# Altium PCB carrier.PcbDoc (part 1 of 5)
Units mil, origin at the board's own origin, x right, y up, seen from the top; angles counter-clockwise.
Board outline 5511.81 x 3425.2 mil, 4 copper layers (Component Side, Power_layer1, Power_layer2, Solder Side), stack 65.912 mil thick; 384 components, 416 nets, 1916 pads, 853 vias.
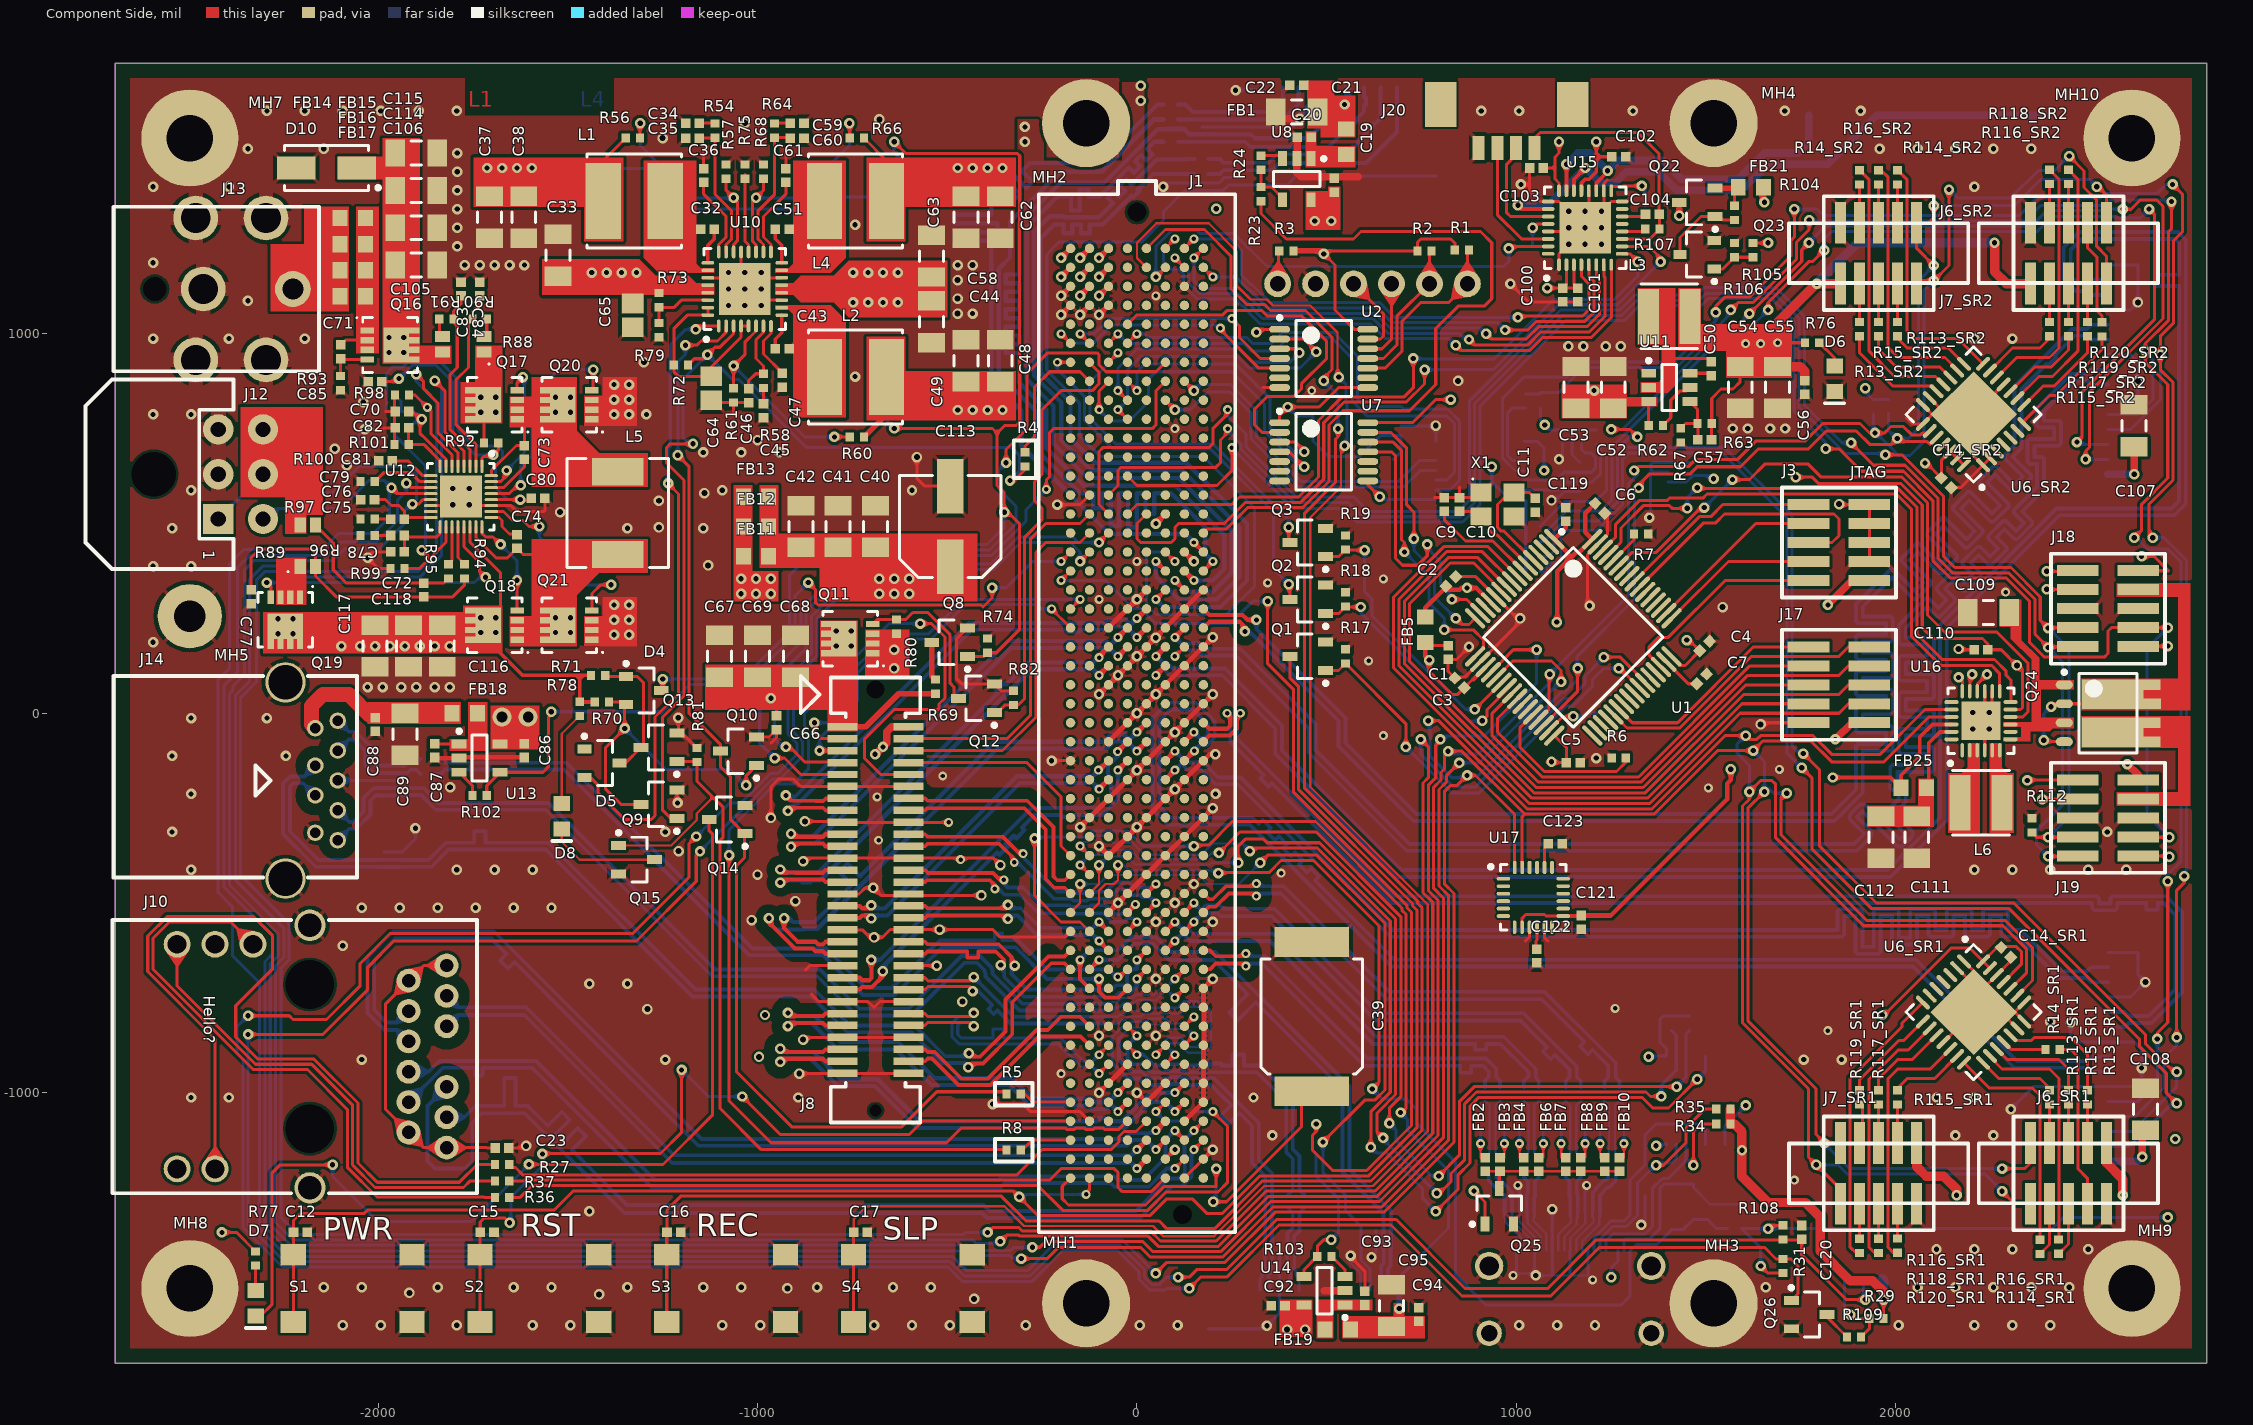
[diagram p0: Component Side view]
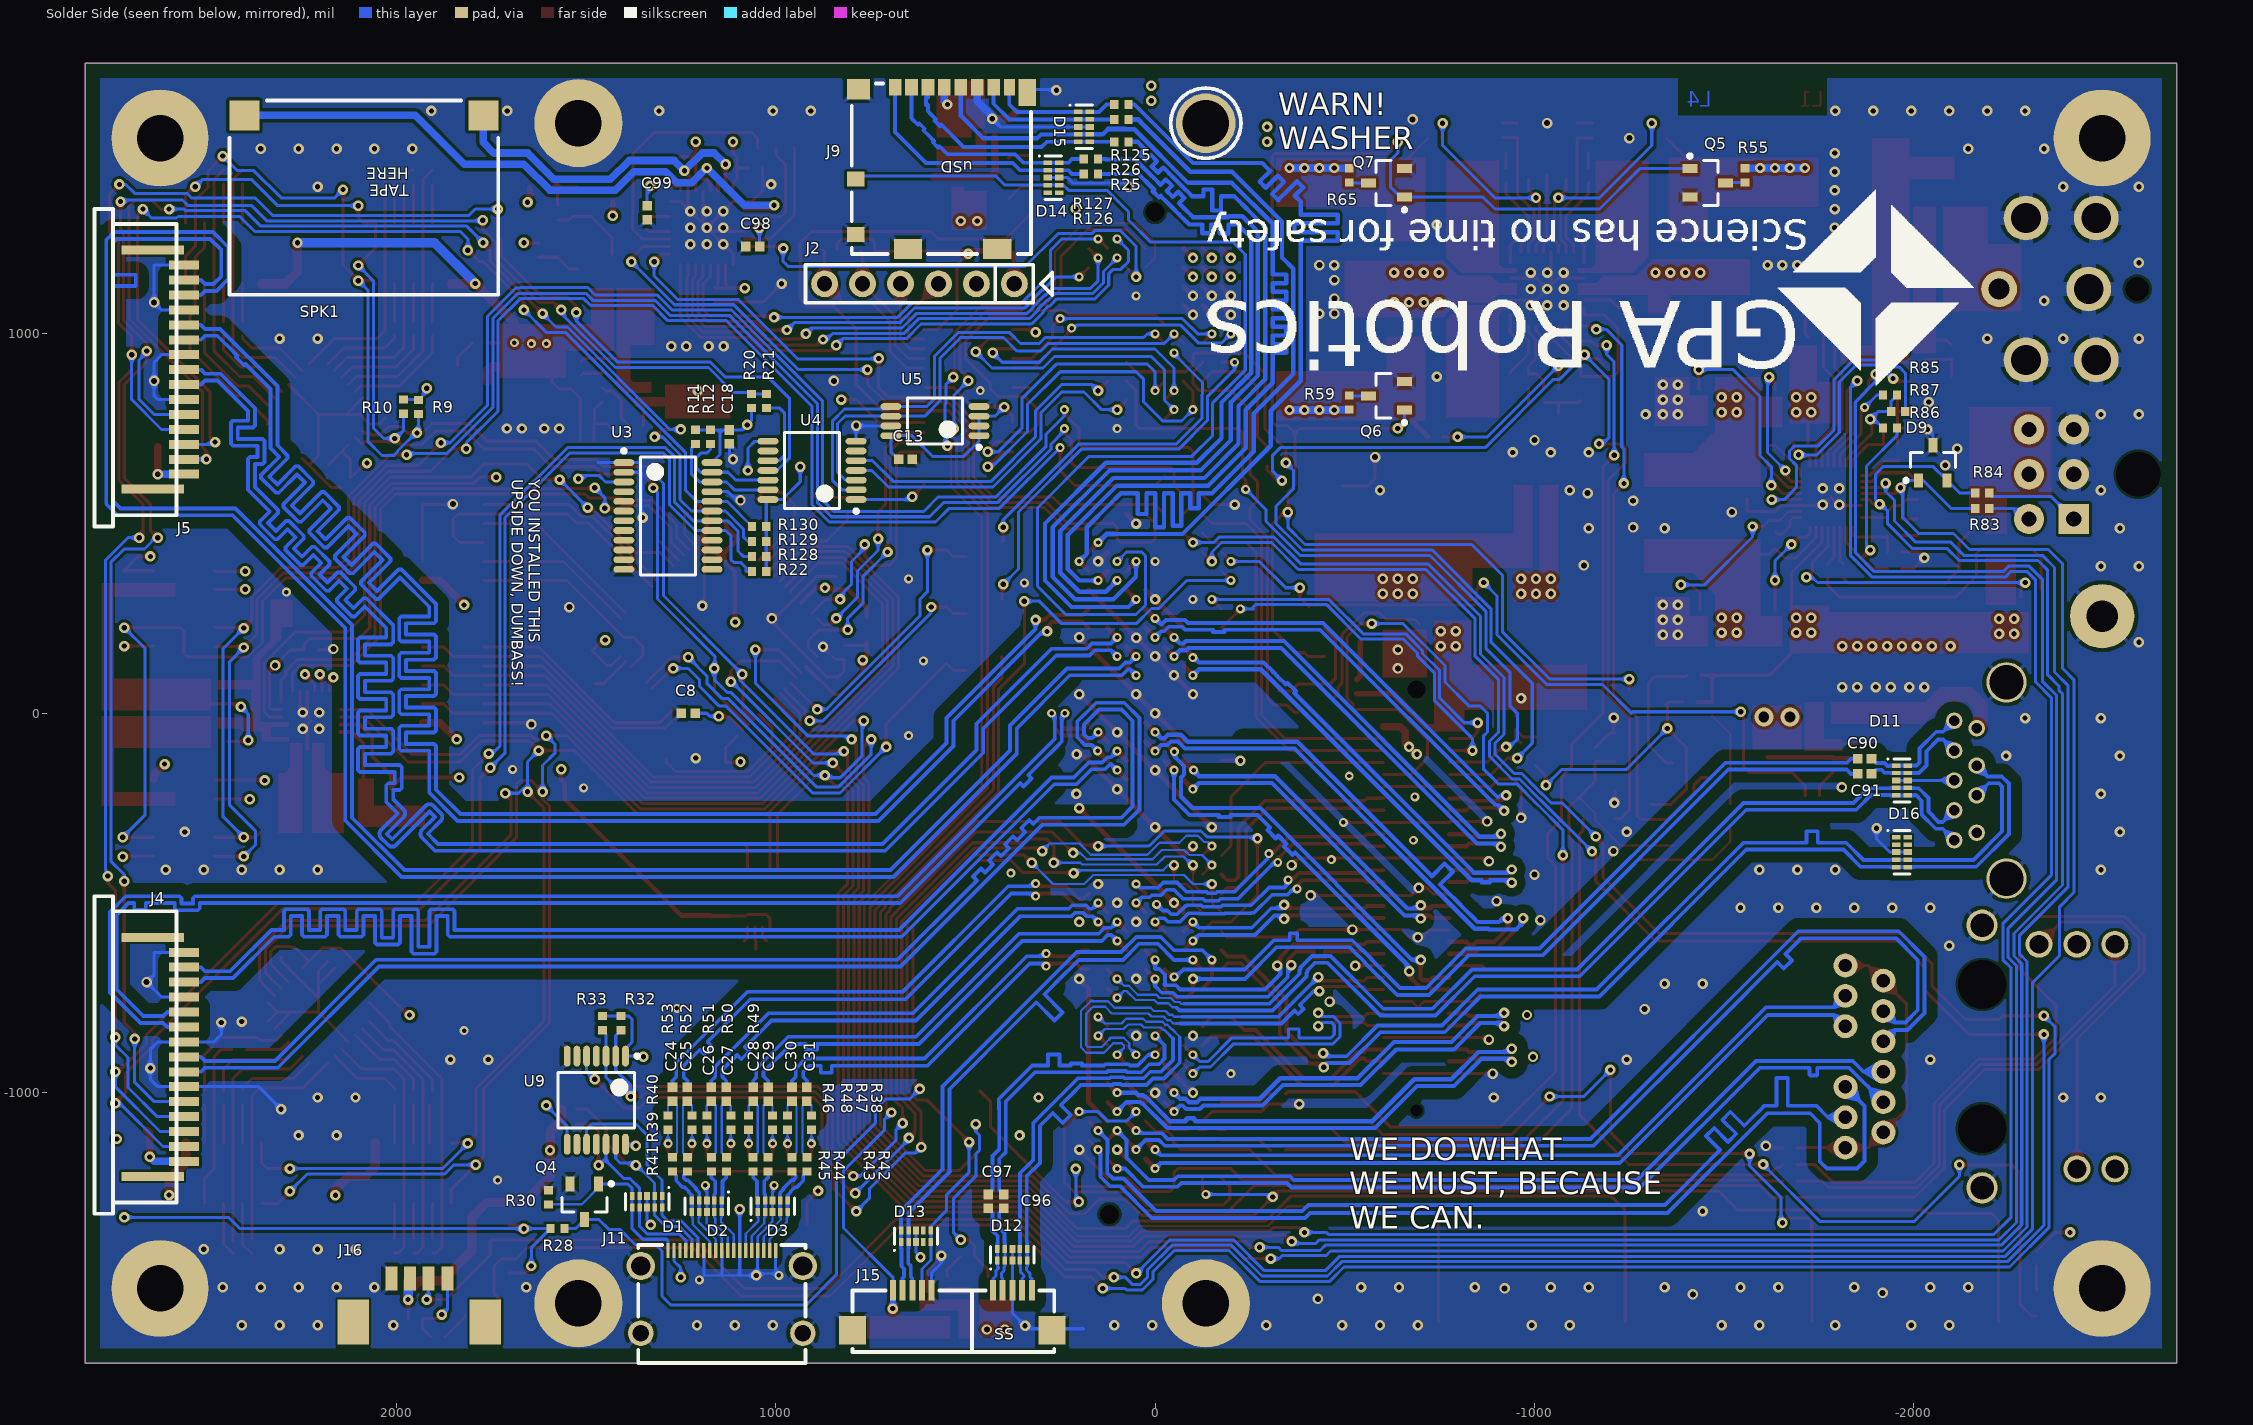
[diagram p1: Solder Side view, seen from below]
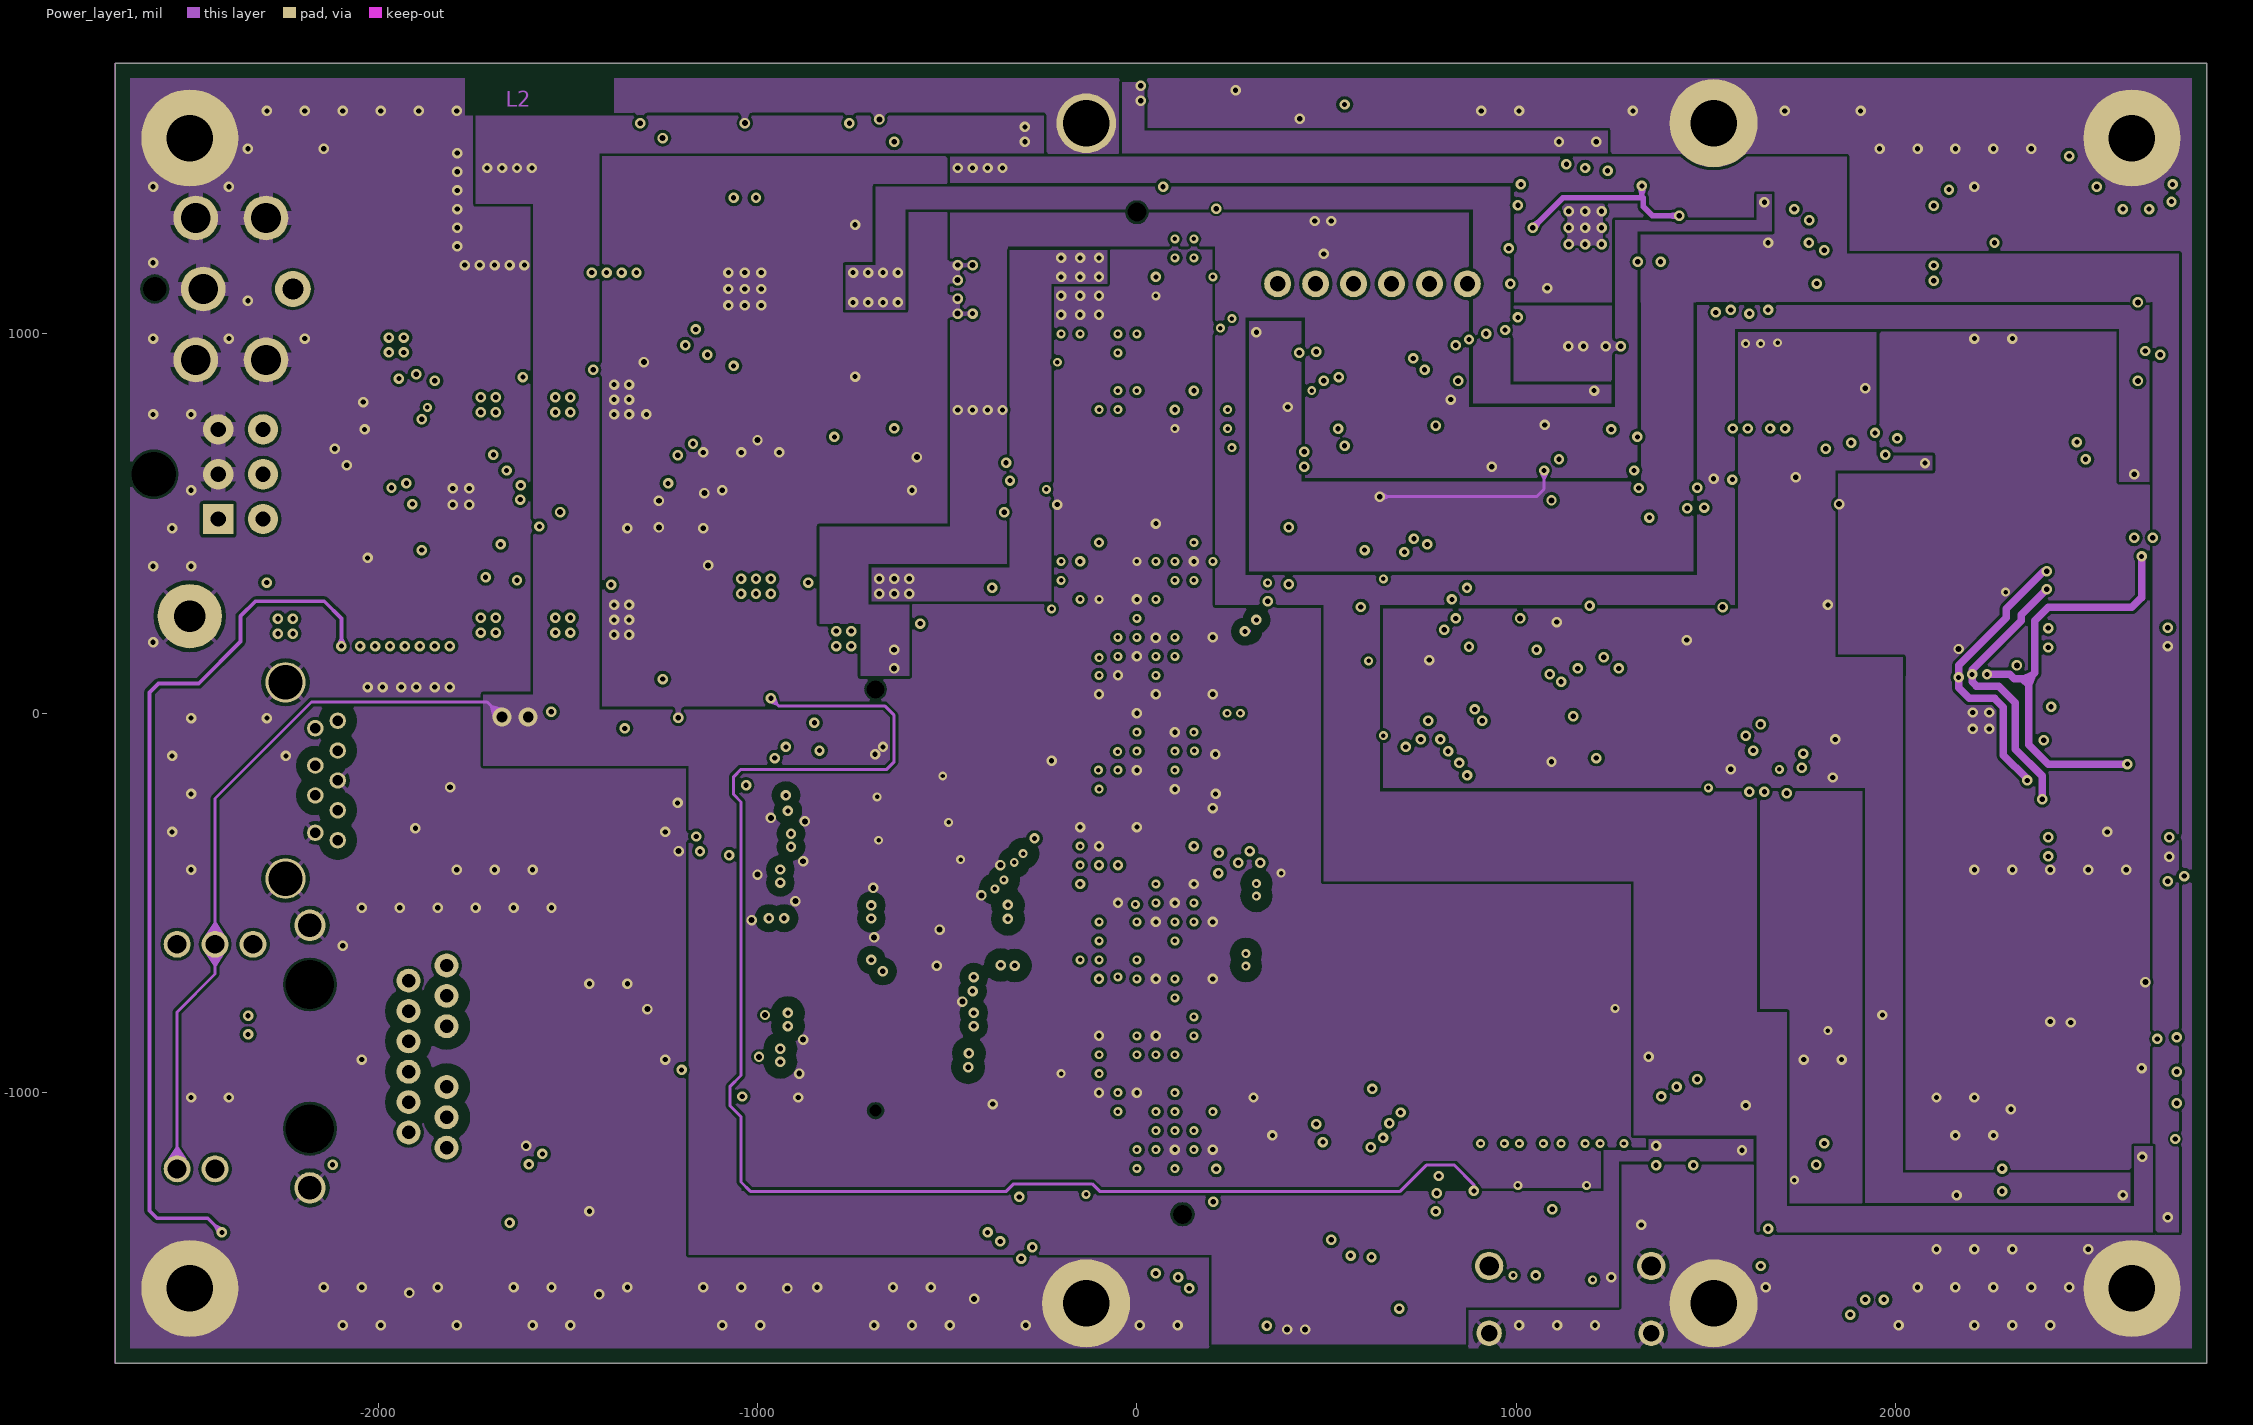
[diagram p2: Power_layer1]
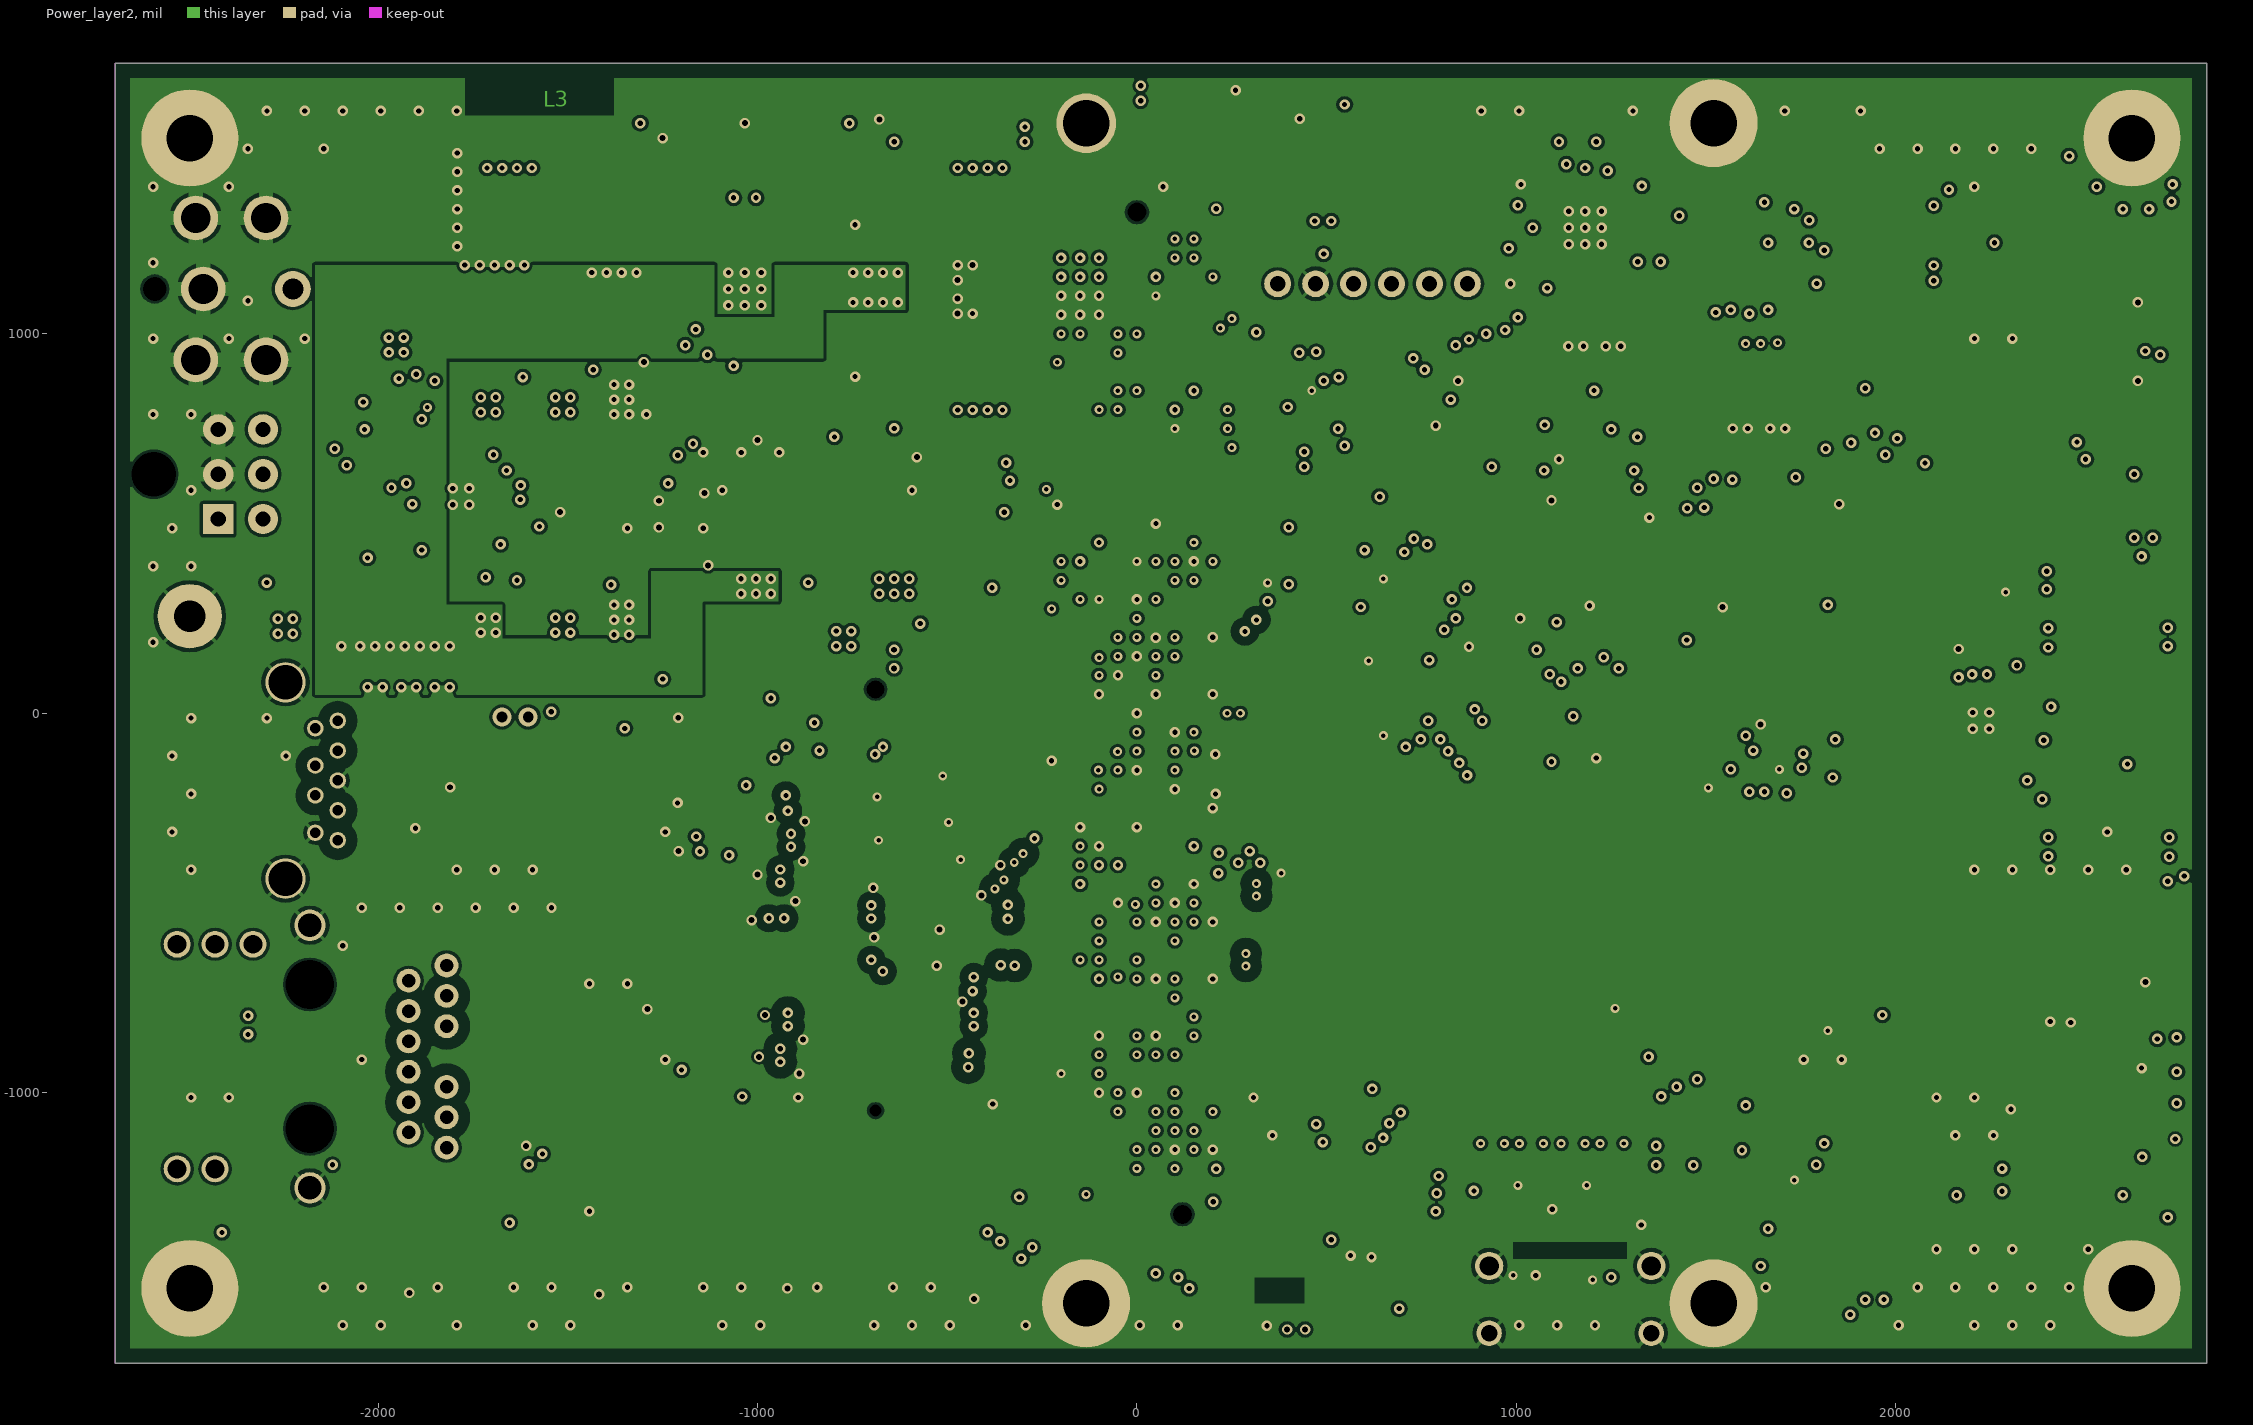
[diagram p3: Power_layer2]

## Layer stack, top to bottom
Top Solder: solder mask 0.4, Solder Resist, Dk 3.5
Component Side: signal copper 1.378
Dielectric 1: prepreg 6.7, FR-4, Dk 3.66
Power_layer1: signal copper 1.378
Dielectric 4: core 47, FR-4, Dk 3.66
Power_layer2: signal copper 1.378
Dielectric 3: prepreg 6.7, FR-4, Dk 3.66
Solder Side: signal copper 1.378
Bottom Solder: solder mask 0.4, Solder Resist, Dk 3.5

## Board outline
-2692.91,-1712.6 2818.9,-1712.6 2818.9,1712.6 -2692.91,1712.6

## Design rules (kind name [scope] priority, off if disabled: settings)
BoardOutlineClearance [not OnSilkscreen and not OnMechanical] p1: gap=39.37 ignorepadtopadclearanceinfootprint=FALSE
Clearance "Stitching GND_DIFF" [IsStitchingVia and InNet('GND') vs InAnyDifferentialPair] p1: gap=30 ignorepadtopadclearanceinfootprint=FALSE
Clearance "Stitching GND" [IsStitchingVia and InNet('GND') vs (IsVia and (Not IsStitchingVia)) Or IsPad] p2: gap=10 ignorepadtopadclearanceinfootprint=FALSE
Clearance Clearance_usb3 [InDifferentialPairClass('usb_diff100') and not WithinRoom('NVM') vs InPolygon] p3: gap=30 ignorepadtopadclearanceinfootprint=FALSE except(15: Via-Fill Via-Poly Via-Region)
Clearance Clearance_csi [InDifferentialPairClass('csi_diff100') and not WithinRoom('NVM') vs InPolygon] p4: gap=30 ignorepadtopadclearanceinfootprint=FALSE except(15: Via-Fill Via-Poly Via-Region)
Clearance Clearance_diff [InAnyDifferentialPair and not WithinRoom('NVM') vs InPolygon] p5: gap=30 ignorepadtopadclearanceinfootprint=TRUE
Clearance [InNetClass('All Nets') vs InPolygon] p6: gap=8 ignorepadtopadclearanceinfootprint=FALSE
Clearance Clearance_2 [All] p7: gap=6 ignorepadtopadclearanceinfootprint=FALSE except(5: SMDPad-SMDPad)
Clearance Clearance_1 [IsBoardCutoutRegion vs InPolygon] p8: gap=29.53 ignorepadtopadclearanceinfootprint=FALSE
DiffPairsRouting DiffPairsRouting_sata [InDifferentialPairClass('sata_diff')] p1: maxlimit=10 minlimit=6 mostfreqgap=9.4 toplayer_minwidth=6 toplayer_maxwidth=15 toplayer_prefwidth=9.75 midlayer1_minwidth=6 midlayer1_maxwidth=15 midlayer1_prefwidth=9.75 midlayer2_minwidth=6 midlayer2_maxwidth=15 midlayer2_prefwidth=9.75 bottomlayer_minwidth=6 bottomlayer_maxwidth=15 bottomlayer_prefwidth=9.75 maxuncoupledlength=500
DiffPairsRouting DiffPairsRouting_hdmi [InDifferentialPairClass('hdmi_diff95')] p2: maxlimit=10 minlimit=6 mostfreqgap=9.5 toplayer_minwidth=6 toplayer_maxwidth=10 toplayer_prefwidth=9.7 midlayer1_minwidth=6 midlayer1_maxwidth=10 midlayer1_prefwidth=9.7 midlayer2_minwidth=6 midlayer2_maxwidth=10 midlayer2_prefwidth=9.7 bottomlayer_minwidth=6 bottomlayer_maxwidth=10 bottomlayer_prefwidth=9.7 maxuncoupledlength=500
DiffPairsRouting DiffPairsRouting_usb3 [InDifferentialPairClass('usb_diff100')] p3: maxlimit=10 minlimit=6 mostfreqgap=8 toplayer_minwidth=6 toplayer_maxwidth=15 toplayer_prefwidth=10 midlayer1_minwidth=6 midlayer1_maxwidth=15 midlayer1_prefwidth=10 midlayer2_minwidth=6 midlayer2_maxwidth=15 midlayer2_prefwidth=10 bottomlayer_minwidth=6 bottomlayer_maxwidth=15 bottomlayer_prefwidth=10 maxuncoupledlength=247.64
DiffPairsRouting DiffPairsRouting_mdi [All] p4: maxlimit=20 minlimit=6 mostfreqgap=8 toplayer_minwidth=6 toplayer_maxwidth=20 toplayer_prefwidth=10 midlayer1_minwidth=6 midlayer1_maxwidth=20 midlayer1_prefwidth=10 midlayer2_minwidth=6 midlayer2_maxwidth=20 midlayer2_prefwidth=10 bottomlayer_minwidth=6 bottomlayer_maxwidth=20 bottomlayer_prefwidth=10 maxuncoupledlength=500
DiffPairsRouting DiffPairsRouting_csi [InDifferentialPairClass('csi_diff100')] p5: maxlimit=10 minlimit=6 mostfreqgap=8 toplayer_minwidth=6 toplayer_maxwidth=15 toplayer_prefwidth=10 midlayer1_minwidth=6 midlayer1_maxwidth=15 midlayer1_prefwidth=10 midlayer2_minwidth=6 midlayer2_maxwidth=15 midlayer2_prefwidth=10 bottomlayer_minwidth=6 bottomlayer_maxwidth=15 bottomlayer_prefwidth=10 maxuncoupledlength=500
DiffPairsRouting DiffPairsRouting_usb2 [InDifferentialPairClass('usb_diff90')] p6: maxlimit=10 minlimit=6 mostfreqgap=8 toplayer_minwidth=6 toplayer_maxwidth=15 toplayer_prefwidth=10 midlayer1_minwidth=6 midlayer1_maxwidth=15 midlayer1_prefwidth=10 midlayer2_minwidth=6 midlayer2_maxwidth=15 midlayer2_prefwidth=10 bottomlayer_minwidth=6 bottomlayer_maxwidth=15 bottomlayer_prefwidth=10 maxuncoupledlength=500
DiffPairsRouting [All] p7: maxlimit=10 minlimit=6 mostfreqgap=10 toplayer_minwidth=6 toplayer_maxwidth=15 toplayer_prefwidth=15 midlayer1_minwidth=6 midlayer1_maxwidth=15 midlayer1_prefwidth=15 midlayer2_minwidth=6 midlayer2_maxwidth=15 midlayer2_prefwidth=15 bottomlayer_minwidth=6 bottomlayer_maxwidth=15 bottomlayer_prefwidth=15 maxuncoupledlength=500
HoleSize [All] p1: absolutevalues=TRUE maxlimit=248.03 minlimit=11.81 maxpercent=80.000 minpercent=20.000
Length Length_dat2 [All] p1 off: maxlimit=2236.22 minlimit=2157.48
Length Length_dat3 [InNet('SDC_D3')] p2 off: maxlimit=2354.33 minlimit=2196.85
Length Length_dat1 [InNet('SDC_D1')] p3 off: maxlimit=2549.21 minlimit=2470.47
Length Length_dat0 [InNet('SDC_D0')] p4 off: maxlimit=2587.4 minlimit=2429.92
Length Length_cmd [InNet('SDC_CMD')] p5 off: maxlimit=2343.7 minlimit=2186.22
Length Length_clk [InNet('SDC_CLK')] p6 off: maxlimit=2866.14 minlimit=2858.27
MatchedLengths MatchedLengths_sata [InDifferentialPairClass('sata_diff')] p1: tolerance=5.91 checknetsindiffpair=TRUE checkdiffpairvsdiffpair=FALSE checkxsignals=FALSE checkothers=FALSE
MatchedLengths MatchedLengths_dp1 [InNet('DP0_D?_?')] p2: tolerance=885.83 checknetsindiffpair=FALSE checkdiffpairvsdiffpair=TRUE checkxsignals=TRUE checkothers=TRUE
MatchedLengths MatchedLengths_dp [InDifferentialPairClass('hdmi_diff95')] p3: tolerance=5.91 checknetsindiffpair=TRUE checkdiffpairvsdiffpair=FALSE checkxsignals=FALSE checkothers=FALSE
MatchedLengths MatchedLengths_csi1 [InNet('CSI0_*')] p4: tolerance=29.53 checknetsindiffpair=FALSE checkdiffpairvsdiffpair=TRUE checkxsignals=TRUE checkothers=TRUE
MatchedLengths MatchedLengths_csi4 [InNet('CSI3_*')] p5 off: tolerance=29.53 checknetsindiffpair=FALSE checkdiffpairvsdiffpair=TRUE checkxsignals=TRUE checkothers=TRUE
MatchedLengths MatchedLengths_csi3 [InNet('CSI2_*')] p6 off: tolerance=29.53 checknetsindiffpair=FALSE checkdiffpairvsdiffpair=TRUE checkxsignals=TRUE checkothers=TRUE
MatchedLengths MatchedLengths_csi2 [InNet('CSI1_*')] p7: tolerance=29.53 checknetsindiffpair=FALSE checkdiffpairvsdiffpair=TRUE checkxsignals=TRUE checkothers=TRUE
MatchedLengths MatchedLengths_csi [InDifferentialPairClass('csi_diff100')] p8: tolerance=5.91 checknetsindiffpair=TRUE checkdiffpairvsdiffpair=FALSE checkxsignals=FALSE checkothers=FALSE
MatchedLengths MatchedLengths_sdcard2 [InNet('SDCARD_*')] p9 off: tolerance=39.37 checknetsindiffpair=FALSE checkdiffpairvsdiffpair=TRUE checkxsignals=TRUE checkothers=TRUE
MatchedLengths MatchedLengths_sdcard [InNet('SDC_*') and not InNet('SDC_CLK')] p10 off: tolerance=39.37 checknetsindiffpair=FALSE checkdiffpairvsdiffpair=TRUE checkxsignals=TRUE checkothers=TRUE
MatchedLengths MatchedLengths_mdi [InDifferentialPairClass('mdi_diff')] p11: tolerance=5.91 checknetsindiffpair=TRUE checkdiffpairvsdiffpair=FALSE checkxsignals=FALSE checkothers=FALSE
MatchedLengths MatchedLengths_usb3 [InDifferentialPairClass('usb_diff100')] p12: tolerance=5.91 checknetsindiffpair=TRUE checkdiffpairvsdiffpair=FALSE checkxsignals=FALSE checkothers=FALSE
MatchedLengths MatchedLengths_usb2 [InDifferentialPair('USBM2_D') or InDifferentialPair('USB0_D') or InDifferentialPair('USB1_D')] p13: tolerance=39.37 checknetsindiffpair=TRUE checkdiffpairvsdiffpair=FALSE checkxsignals=FALSE checkothers=FALSE
MinimumAnnularRing [All] p1: minimumring=5.91
MinimumSolderMaskSliver [All] p1: minsoldermaskwidth=4
PlaneClearance PlaneClearance_usb [IsDifferentialPair] p1: clearance=100
PlaneClearance [All] p2: clearance=20
PolygonConnect PolygonConnect_pwr [All vs InComponent('J13') or InComponent('J12')] p1: thpad.connectstyle=Relief thpad.reliefconductorwidth=39.37 thpad.reliefentries=4 thpad.polygonreliefangle="90 Angle" thpad.airgapwidth=10 smdpad.connectstyle=Relief smdpad.reliefconductorwidth=10 smdpad.reliefentries=4 smdpad.polygonreliefangle="90 Angle" smdpad.airgapwidth=10 via.connectstyle=Relief via.reliefconductorwidth=10 via.reliefentries=4 via.polygonreliefangle="90 Angle" via.airgapwidth=10
PolygonConnect PolygonConnect_decouple [All vs HasFootprint('C3216[1206]')] p2: thpad.connectstyle=Relief thpad.reliefconductorwidth=10 thpad.reliefentries=4 thpad.polygonreliefangle="90 Angle" thpad.airgapwidth=10 smdpad.connectstyle=Direct smdpad.reliefconductorwidth=10 smdpad.reliefentries=4 smdpad.polygonreliefangle="90 Angle" smdpad.airgapwidth=10 via.connectstyle=Relief via.reliefconductorwidth=10 via.reliefentries=4 via.polygonreliefangle="90 Angle" via.airgapwidth=10
PolygonConnect PolygonConnect_via [IsVia] p3: thpad.connectstyle=Relief thpad.reliefconductorwidth=10 thpad.reliefentries=4 thpad.polygonreliefangle="90 Angle" thpad.airgapwidth=10 smdpad.connectstyle=Relief smdpad.reliefconductorwidth=10 smdpad.reliefentries=4 smdpad.polygonreliefangle="90 Angle" smdpad.airgapwidth=10 via.connectstyle=Direct via.reliefconductorwidth=10 via.reliefentries=4 via.polygonreliefangle="90 Angle" via.airgapwidth=10
PolygonConnect PolygonConnect_mount [HasFootprint('m3_pan_tight_round')] p4: thpad.connectstyle=Direct thpad.reliefconductorwidth=10 thpad.reliefentries=4 thpad.polygonreliefangle="90 Angle" thpad.airgapwidth=10 smdpad.connectstyle=Relief smdpad.reliefconductorwidth=10 smdpad.reliefentries=4 smdpad.polygonreliefangle="90 Angle" smdpad.airgapwidth=10 via.connectstyle=Relief via.reliefconductorwidth=10 via.reliefentries=4 via.polygonreliefangle="90 Angle" via.airgapwidth=10
PolygonConnect [All] p5: connectstyle=Relief reliefconductorwidth=10 reliefentries=4 polygonreliefangle="45 Angle" airgapwidth=10
RoomDefinition USB [InComponentClass('USB')] p1 off: confinementstyle=ConfineIn formatcopy=TRUE lockcomponents=FALSE outline -3573.45,4088.83 2329.4,4088.83 2329.4,4857.57 -3573.45,4857.57
RoomDefinition SR2 [InComponentClass('SR2')] p2 off: confinementstyle=ConfineIn formatcopy=TRUE lockcomponents=FALSE outline 4055.12,8090.55 1102.36,8090.55 1102.36,9133.86 4055.12,9133.86
RoomDefinition SR1 [InComponentClass('SR1')] p3 off: confinementstyle=ConfineIn formatcopy=TRUE lockcomponents=FALSE outline 4665.37,-1762.79 3362.22,-1762.79 3362.22,-790.35 4665.37,-790.35
RoomDefinition SND [InComponentClass('SND')] p4 off: confinementstyle=ConfineIn formatcopy=TRUE lockcomponents=FALSE outline 2863.51,6779.01 10158.16,6779.01 10158.16,7682.59 2863.51,7682.59
RoomDefinition PS1 [InComponentClass('PS1')] p5 off: confinementstyle=ConfineIn formatcopy=TRUE lockcomponents=FALSE outline -1747.93,1963.01 37459.78,1963.01 37459.78,6543.2 -1747.93,6543.2